# Altium PCB ZhuKong.PcbDoc (part 2 of 6)
Units mm, origin at the board's own origin, x right, y up, seen from the top; angles counter-clockwise.
Board outline 178.45 x 113.25 mm, 2 copper layers (Top Layer, Bottom Layer); 395 components, 351 nets, 1367 pads, 848 vias.
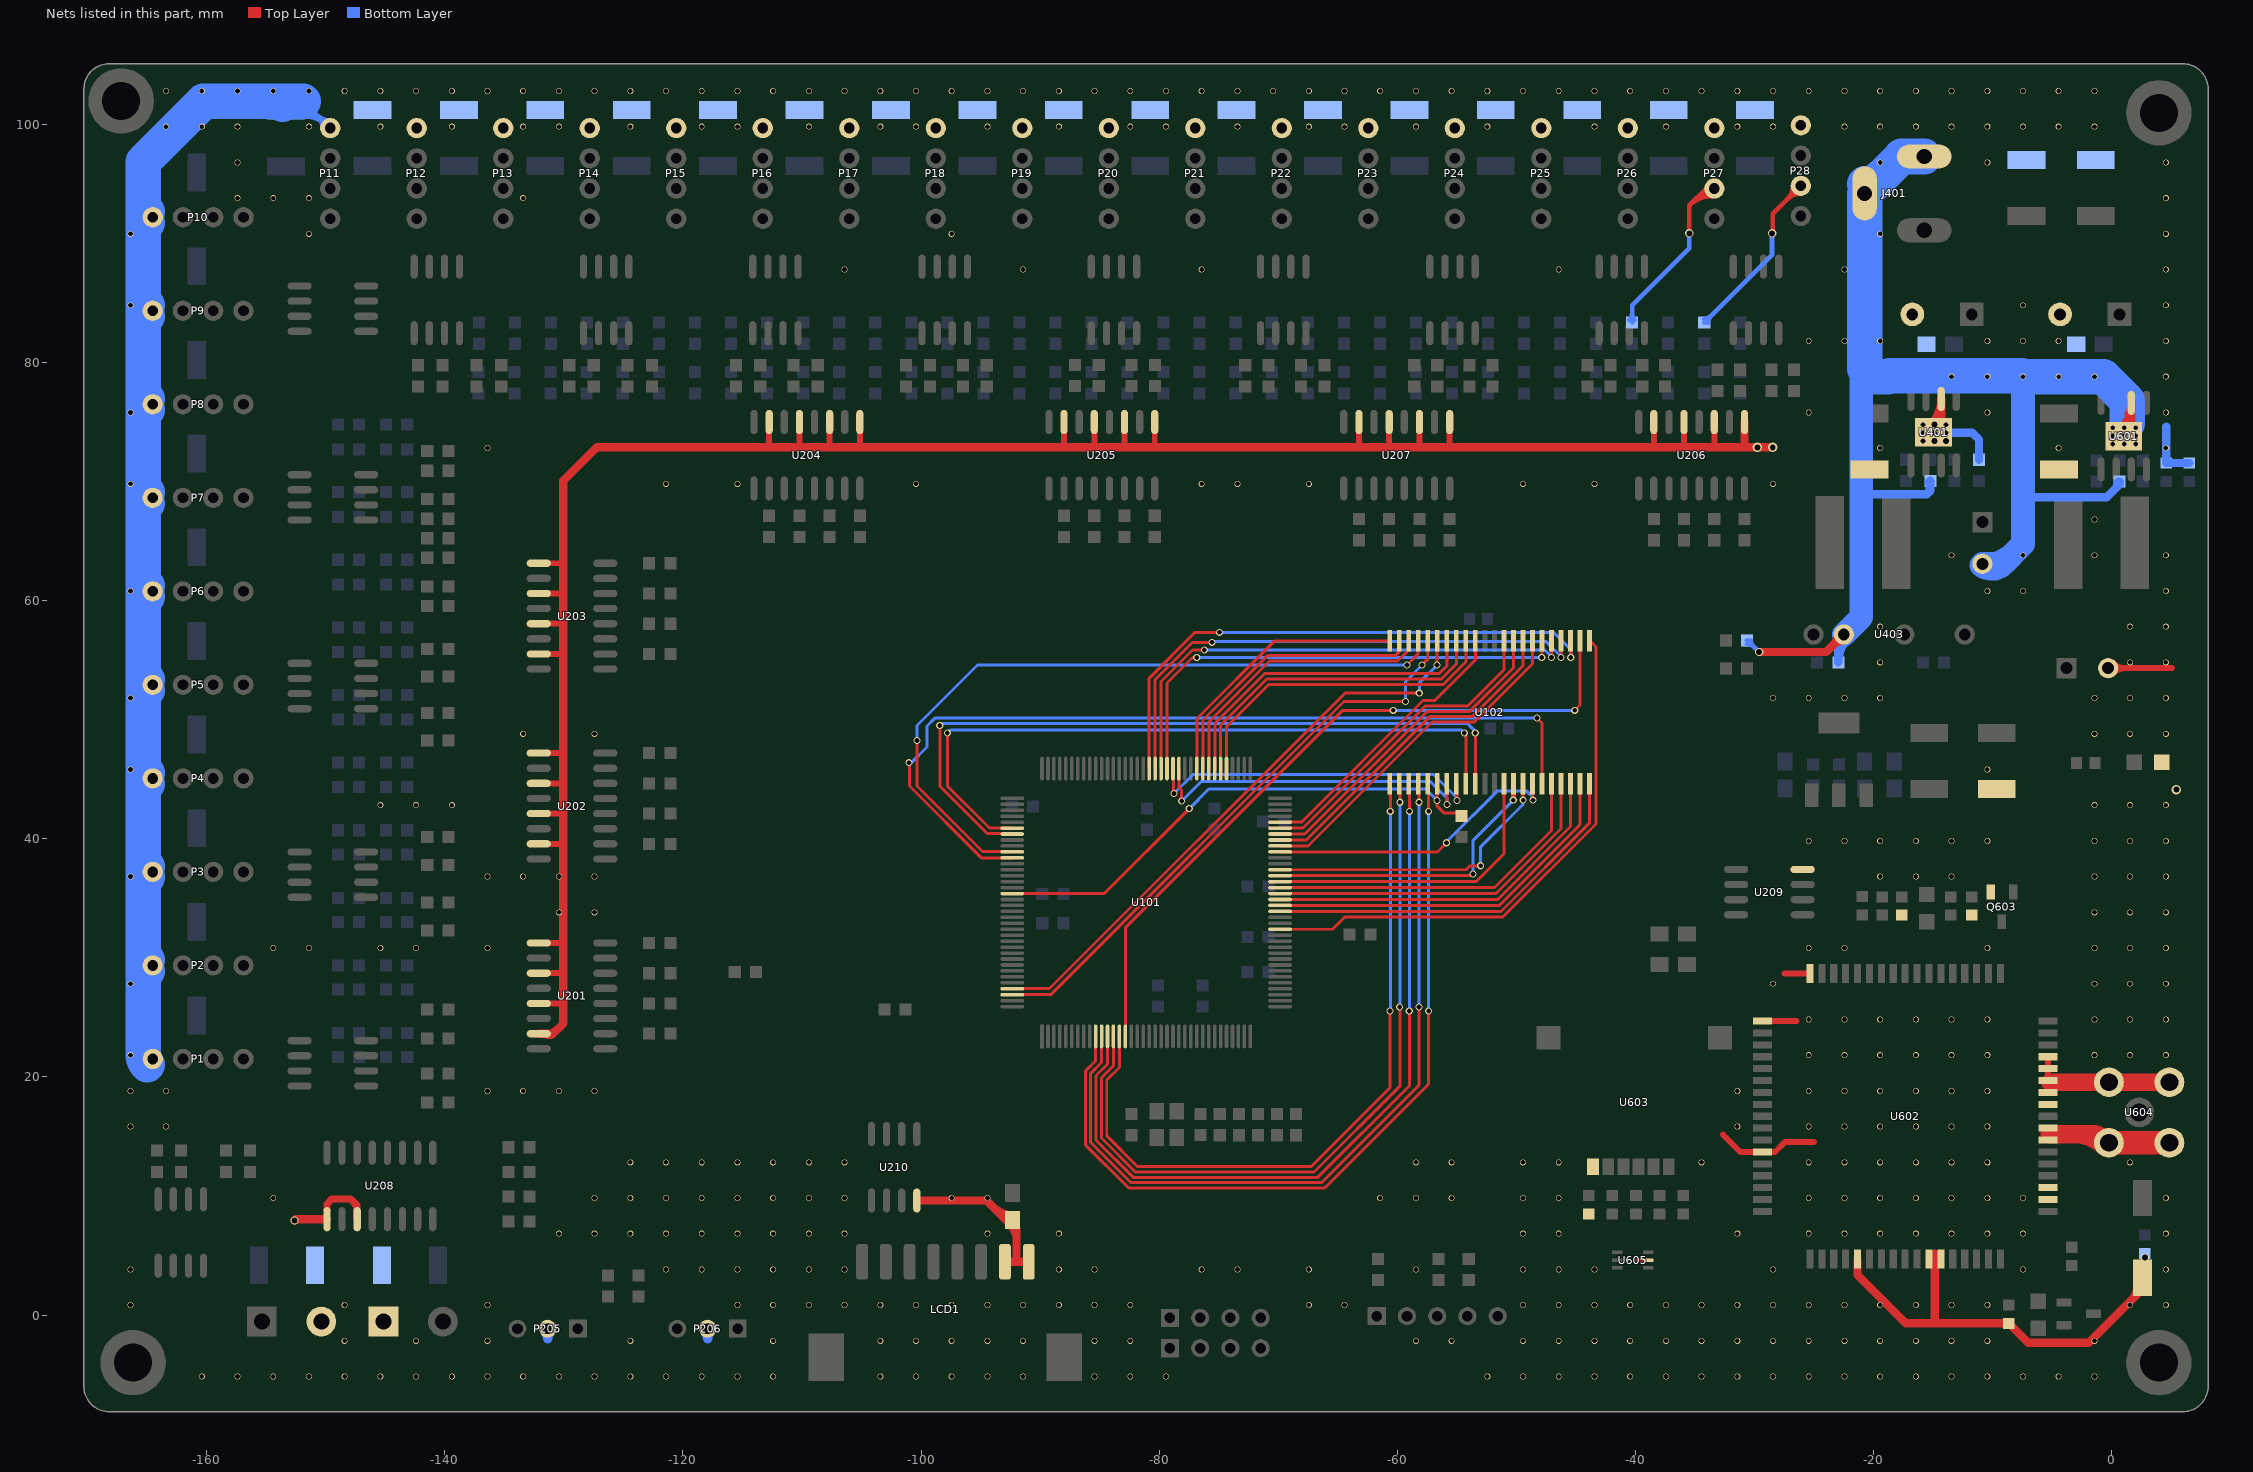
[diagram p2: the nets of this part, all layers, seen from the top]

## Via types
v1: diameter 0.5, hole 0.4, Top Layer to Bottom Layer, tented both sides, 554 vias
v2: diameter 0.7, hole 0.5, Top Layer to Bottom Layer, tented both sides, 134 vias
v3: diameter 0.6, hole 0.4, Top Layer to Bottom Layer, tented both sides, 77 vias
v4: diameter 0.7, hole 0.4, Top Layer to Bottom Layer, tented both sides, 40 vias
v5: diameter 0.8, hole 0.5, Top Layer to Bottom Layer, tented both sides, 32 vias
v6: diameter 0.5, hole 0.4, Top Layer to Bottom Layer, 5 vias
v7: diameter 0.9, hole 0.5, Top Layer to Bottom Layer, tented both sides, 4 vias
v8: diameter 0.5, hole 0.4, Top Layer to Bottom Layer, tented bottom, 1 vias
v9: diameter 0.8, hole 0.4, Top Layer to Bottom Layer, tented both sides, 1 vias

## Nets (pads, with @x,y where several pads share a name; then routed paths per layer and width w, separated by ;. In a path a pad name is that pad's centre, name@x,y a point inside that pad or via, vN(x,y) a via of type N, cw(c..) or ccw(c..) an arc to the next point about the centre after c; other vN are vias at no path point) (continued)
FEED_27: P27.3 R581.2 | length 20.5
  Top Layer w0.4: v2@-35.458,90.805 -35.458,93.218 -34.036,94.64 P27.3@-33.353,94.64 ; -35.458,93.218 cw(c-33.576,91.336) P27.3@-33.397,93.992 ; -34.836,93.841 cw(c-33.497,92.502) P27.3@-33.37,94.391 ; -34.213,94.464 cw(c-33.419,93.669) P27.3@-33.343,94.79
  Bottom Layer w0.4: R581.2@-40.475,83.596 ccw(c-41.001,84.122) -40.257,84.122 ccw(c-39.514,84.122) R581.2@-40.039,83.596 ; R581.2@-40.257,83.378 -40.257,84.838 -35.458,89.637 v2@-35.458,90.805
  other v2: -35.458,90.881
FEED_28: P28.3 R584.2 | length 18.5
  Top Layer w0.4: v2@-28.499,90.729 -28.448,90.729 -28.448,92.507 P28.3@-26.086,94.869 ; P28.3@-26.736,94.869 cw(c-28.305,94.869) -27.195,93.759 cw(c-26.086,92.65) P28.3@-26.086,94.219
  Bottom Layer w0.4: R584.2@-34.201,83.378 -28.499,89.081 v2@-28.499,90.729 ; R584.2@-34.201,83.686 ccw(c-34.201,84.43) -33.676,83.904 ccw(c-33.15,83.378) R584.2@-33.893,83.378
  other v2: -28.499,90.881
FSMC_A0: U101.10 U102.5 | length 68.9
  Top Layer w0.25: U101.10@-85.334,23.411 -85.334,21.353 -86.197,20.49 -86.197,14.313 -82.552,10.668 -66.091,10.668 -57.353,19.406 v3(-57.353,25.552) ; U102.5@-57.483,43.891 cw(c-57.798,43.577) -57.353,43.577 ; v3(-57.353,42.316) U102.5@-57.353,44.567
  Bottom Layer w0.25: v3(-57.353,25.552) v3(-57.353,42.316)
FSMC_A1: U101.11 U102.4 | length 67.3
  Top Layer w0.25: U101.11@-84.834,23.411 -84.834,21.216 -85.747,20.304 -85.747,14.5 -82.365,11.118 -66.352,11.118 -58.16,19.31 v3@-58.16,25.883 ; U102.4@-58.283,43.891 cw(c-58.582,43.592) -58.16,43.592 ; v3(-58.16,43.078) U102.4@-58.16,44.573
  Bottom Layer w0.25: v3@-58.16,25.883 v3(-58.16,43.078)
  other v3: -58.166,25.883
FSMC_A2: U101.12 U102.3 | length 65.6
  Top Layer w0.25: U101.12@-84.334,23.411 -84.334,21.08 -85.297,20.117 -85.297,14.686 -82.179,11.568 -66.664,11.568 -58.979,19.253 v3(-58.979,25.552) ; U102.3@-59.083,43.891 cw(c-59.367,43.608) -58.966,43.608 ; v3(-58.966,42.316) U102.3@-58.966,44.58
  Bottom Layer w0.25: v3@-58.966,25.552 v3(-58.966,42.316)
FSMC_A3: U101.13 U102.2 | length 63.9
  Top Layer w0.25: U101.13@-83.834,23.411 -83.834,20.943 -84.847,19.931 -84.847,14.872 -81.993,12.018 -66.976,12.018 -59.773,19.221 v3@-59.773,25.883 ; U102.2@-59.883,43.891 cw(c-60.151,43.623) -59.773,43.623 ; v3(-59.773,43.078) U102.2@-59.773,44.586
  Bottom Layer w0.25: v3@-59.773,25.883 v3(-59.773,43.078)
  other v3: -59.792,25.883
FSMC_A4: U101.14 U102.1 | length 62.2
  Top Layer w0.25: U101.14@-83.334,23.411 -83.334,20.807 -84.397,19.744 -84.397,15.059 -81.806,12.468 -67.237,12.468 -60.604,19.101 v3(-60.604,25.552) ; U102.1@-60.683,43.891 cw(c-60.936,43.639) -60.579,43.639 ; v3(-60.579,42.316) U102.1@-60.579,44.593
  Bottom Layer w0.25: v3@-60.579,25.552 v3(-60.579,42.316)
FSMC_A5: U101.15 U102.24 | length 60.5
  Top Layer w0.25: U101.15@-82.834,23.411 -82.834,32.532 -64.567,50.8 v3(-60.325,50.8) ; v3@-45.025,50.8 v3(-45.085,50.8) -44.63,51.255 U102.24@-44.63,56.644
  Bottom Layer w0.25: v3(-60.325,50.8) v3(-45.085,50.8)
FSMC_A6: U101.50 U102.23 | length 45.8
  Top Layer w0.25: U101.50@-69.834,32.411 -65.43,32.411 -64.389,33.452 -51.105,33.452 -43.305,41.251 -43.305,56.119 U102.23@-43.83,56.644
FSMC_A7: U101.53 U102.22 | length 32.4
  Top Layer w0.25: U101.53@-69.834,33.911 -51.282,33.911 -43.83,41.363 U102.22@-43.83,44.644
FSMC_A8: U101.54 U102.21 | length 31.5
  Top Layer w0.25: U101.54@-69.834,34.411 -51.419,34.411 -44.63,41.199 U102.21@-44.63,44.644
FSMC_A9: U101.55 U102.20 | length 30.5
  Top Layer w0.25: U101.55@-69.834,34.911 -51.555,34.911 -45.43,41.035 U102.20@-45.43,44.644
FSMC_A10: U101.56 U102.19 | length 29.6
  Top Layer w0.25: U101.56@-69.834,35.411 -51.691,35.411 -46.23,40.872 U102.19@-46.23,44.644
FSMC_A11: U101.57 U102.18 | length 28.7
  Top Layer w0.25: U101.57@-69.834,35.911 -51.828,35.911 -47.03,40.708 U102.18@-47.03,44.644
FSMC_A12: U101.87 U102.28 | length 41
  Top Layer w0.25: U101.87@-79.334,45.911 -79.334,53.097 -77.186,55.245 v3(-76.835,55.245) ; v3@-47.828,55.245 U102.28@-47.828,56.642
  Bottom Layer w0.25: v3(-76.835,55.245) v3(-47.854,55.245)
FSMC_A13: U101.88 U102.27 | length 42.8
  Top Layer w0.25: U101.88@-79.834,45.911 -79.834,53.233 -77.198,55.87 -76.21,55.87 v3(-76.2,55.88) ; v3(-47.041,55.245) U102.27@-47.041,56.634 ; U102.27@-47.024,56.634 U102.27@-47.024,56.638
  Bottom Layer w0.25: v3@-76.19,55.89 -47.612,55.89 v3@-47.048,55.326
FSMC_A14: U101.89 U102.26 | length 44.8
  Top Layer w0.25: U101.89@-80.334,45.911 -80.334,53.37 -77.189,56.515 v3(-75.565,56.515) ; v3(-46.228,55.245) U102.26@-46.228,56.642
  Bottom Layer w0.25: v3(-75.565,56.515) -75.507,56.573 -47.474,56.573 v3@-46.229,55.327
FSMC_A15: U101.90 U102.25 | length 47.3
  Top Layer w0.25: U101.90@-80.834,45.911 -80.834,53.506 -76.987,57.353 v3(-74.93,57.353) ; v3(-45.415,55.245) U102.25@-45.415,56.629
  Bottom Layer w0.25: v3(-74.93,57.353) -46.863,57.353 -45.415,55.905 v3(-45.415,55.245)
FSMC_A16: U101.80 U102.42 | length 24.3
  Top Layer w0.25: U101.80@-75.834,45.911 -75.809,45.936 -75.809,49.849 -70.718,54.94 -59.969,54.94 -59.03,55.879 U102.42@-59.03,56.644 ; -59.204,55.705 ccw(c-59.443,55.944) U102.42@-59.105,55.944
FSMC_A17: U101.81 U102.43 | length 24.4
  Top Layer w0.25: U101.81@-76.334,45.911 -76.309,45.936 -76.309,49.985 -70.904,55.39 -60.156,55.39 -59.83,55.716 U102.43@-59.83,56.644 ; -60.12,55.426 ccw(c-60.638,55.944) U102.43@-59.905,55.944
FSMC_A18: U101.82 U102.44 | length 23.1
  Top Layer w0.25: U101.82@-76.834,45.911 -76.809,45.936 -76.809,50.121 -70.287,56.644 U102.44@-60.63,56.644
FSMC_D0: U101.85 U102.7 | length 28.6
  Top Layer w0.25: U101.85@-78.334,45.911 -78.334,44.293 -78.105,44.064 v3(-78.105,43.18) ; v3(-55.804,42.901) U102.7@-55.804,44.618
  Bottom Layer w0.25: v3(-78.105,43.18) -76.464,44.821 -57.216,44.821 -55.829,43.434 v3@-55.829,42.901
FSMC_D1: U101.86 U102.8 | length 28.9
  Top Layer w0.25: U101.86@-78.809,45.886 -78.809,43.884 v3(-78.74,43.815) ; v3(-54.966,43.231) U102.8@-54.966,44.579
  Bottom Layer w0.25: v3(-78.74,43.815) -77.14,45.415 -56.947,45.415 -54.966,43.434 v3(-54.966,43.231)
FSMC_D2: U101.114 U102.9 | length 59.3
  Top Layer w0.25: v3(-97.79,48.895) -97.79,44.443 -94.258,40.911 U101.114@-92.334,40.911 ; U102.9@-54.23,44.644 v3@-54.23,48.895
  Bottom Layer w0.25: v3(-97.79,48.895) -97.536,49.149 -54.61,49.149 v3(-54.356,48.895)
FSMC_D3: U101.115 U102.10 | length 62.8
  Top Layer w0.25: v3(-98.425,49.53) -98.425,44.442 -94.419,40.436 -92.359,40.436 U101.115@-92.334,40.411 ; U102.10@-53.43,44.644 v3@-53.43,48.923
  Bottom Layer w0.25: v3(-98.425,49.53) -98.273,49.682 -54.071,49.682 -53.312,48.923 -53.416,48.819 v3@-53.442,48.819
  other v3: -53.442,48.895
FSMC_D4: U101.58 U102.13 | length 25.7
  Top Layer w0.25: U101.58@-69.834,36.411 -53.378,36.411 -51.03,38.759 U102.13@-51.03,44.644
FSMC_D5: U101.59 U102.14 | length 25
  Top Layer w0.25: U101.59@-69.834,36.911 v3@-53.802,36.911
  Top Layer w0.4: v3@-50.23,43.267 U102.14@-50.23,44.644
  Bottom Layer w0.25: v3(-53.619,37.059) -53.609,37.069 -53.609,39.888 v3@-50.254,43.243
  other v3: -50.241,43.256
FSMC_D6: U101.60 U102.15 | length 25.3
  Top Layer w0.25: U101.60@-69.834,37.411 -54.207,37.411 -53.873,37.744 v3(-52.984,37.744) ; v3@-49.43,43.271 U102.15@-49.43,44.644
  Bottom Layer w0.25: v3(-52.984,37.744) -52.984,39.345 -49.428,42.901 v3@-49.428,43.231
  other v3: -49.416,43.256
FSMC_D7: U101.63 U102.16 | length 25.1
  Top Layer w0.25: U101.63@-69.834,38.911 -56.619,38.911 v3@-55.893,39.637 ; v3@-48.63,43.296 U102.16@-48.63,44.644
  Bottom Layer w0.25: v3@-55.89,39.71 -51.557,44.044 -49.149,44.044 -48.59,43.485 v3(-48.59,43.256)
  other v3: -55.855,39.675
FSMC_D8: U101.64 U102.29 | length 29.5
  Top Layer w0.25: U101.64@-69.834,39.411 -67.492,39.411 -57.08,49.823 -53.52,49.823 -48.63,54.712 U102.29@-48.63,56.644
FSMC_D9: U101.65 U102.30 | length 28.6
  Top Layer w0.25: U101.65@-69.834,39.911 -67.629,39.911 -57.267,50.273 -53.706,50.273 -49.43,54.549 U102.30@-49.43,56.644
FSMC_D10: U101.66 U102.31 | length 27.7
  Top Layer w0.25: U101.66@-69.834,40.411 -67.765,40.411 -57.453,50.723 -53.893,50.723 -50.23,54.385 U102.31@-50.23,56.644
FSMC_D11: U101.67 U102.32 | length 26.7
  Top Layer w0.25: U101.67@-69.834,40.911 -67.901,40.911 -57.639,51.173 -54.079,51.173 -51.03,54.221 U102.32@-51.03,56.644
FSMC_D12: U101.68 U102.35 | length 23.7
  Top Layer w0.25: U101.68@-69.834,41.411 -68.038,41.411 -57.826,51.623 -56.835,51.623 -53.43,55.028 U102.35@-53.43,56.644
FSMC_D13: U101.77 U102.36 | length 27.6
  Top Layer w0.25: U101.77@-74.334,45.911 -74.334,49.414 -70.764,52.984 -56.11,52.984 -54.23,54.864 U102.36@-54.23,56.644
FSMC_D14: U101.78 U102.37 | length 27.5
  Top Layer w0.25: U101.78@-74.834,45.911 -74.834,49.551 -70.951,53.434 -56.296,53.434 -55.03,54.7 U102.37@-55.03,56.644
FSMC_D15: U101.79 U102.38 | length 27.4
  Top Layer w0.25: U101.79@-75.334,45.911 -75.309,45.936 -75.309,49.712 -71.137,53.884 -56.483,53.884 -55.83,54.537 U102.38@-55.83,56.644
FSMC_NBL0: U101.141 U102.39 | length 49.7
  Top Layer w0.25: U101.141@-92.334,27.411 -92.309,27.436 -89.204,27.436 -64.392,52.248 v3(-58.141,52.248) ; v3(-56.642,54.61) U102.39@-56.642,56.633 ; -56.642,55.735 cw(c-56.421,55.735) U102.39@-56.577,55.891
  Bottom Layer w0.25: v3(-58.141,52.248) -58.141,53.111 v3(-56.642,54.61)
FSMC_NBL1: U101.142 U102.40 | length 49.1
  Top Layer w0.25: U101.142@-92.334,26.911 -89.092,26.911 -64.467,51.537 v3(-59.309,51.537) ; v3(-57.912,54.61) -57.43,55.092 U102.40@-57.43,56.644
  Bottom Layer w0.25: v3(-59.309,51.537) -59.309,53.213 v3(-57.912,54.61)
FSMC_NE3: R4.1 U101.125 U102.6 | length 43.4
  Top Layer w0.25: U101.125@-92.334,35.411 -84.604,35.411 v3(-77.47,42.545) ; -56.642,43.735 cw(c-56.421,43.735) U102.6@-56.577,43.891 ; U102.6@-56.642,44.196 -56.642,42.748 -56.083,42.189 R4.1@-54.839,42.189
  Bottom Layer w0.25: v3(-77.47,42.545) -75.819,44.196 -57.607,44.196 v3(-56.642,43.231)
FSMC_NEW: U101.119 U102.17 | length 74.1
  Top Layer w0.25: v3@-100.965,46.406 -100.965,44.436 -94.94,38.411 U101.119@-92.334,38.411 ; v3(-48.26,50.165) -47.83,49.735 U102.17@-47.83,44.644
  Bottom Layer w0.25: v3(-101.016,46.406) -100.813,46.406 -99.492,47.727 -99.492,49.479 -98.796,50.175 -60.066,50.175 -60.056,50.165 v3(-48.26,50.165)
FSMC_NOE: U101.118 U102.41 | length 61.1
  Top Layer w0.25: v3(-100.33,48.26) -100.33,44.437 -94.828,38.936 -92.359,38.936 U101.118@-92.334,38.911 ; v3(-59.182,54.61) -58.23,55.562 U102.41@-58.23,56.644
  Bottom Layer w0.25: v3(-100.33,48.26) -100.33,49.53 -95.25,54.61 v3(-59.182,54.61)
GND: C201.2 C401.2 C402.2 C404.2 C405.1 C412.2 C601.2 C602.2 C604.2 C605.2 C606.1 C609.2 C610.2 C611.2 D5.1 D6.1 D9.1 D10.1 D11.1 D12.1 D13.1 D14.1 D15.1 D16.1 D17.1 D18.1 D19.1 D20.1 D21.1 D22.1 D23.1 D24.1 D25.1 D26.1 D27.1 D28.1 D29.1 D30.1 D31.1 D32.1 D33.1 D34.1 D35.1 D36.1 D402.1 D601.1 D602.1 J401.2 J401.3 LCD1.1 LCD1.2 P1.1 P2.1 P3.1 P4.1 P5.1 P6.1 P7.1 P8.1 P9.1 P10.1 P11.1 P12.1 P13.1 P14.1 P15.1 P16.1 P17.1 P18.1 P19.1 P20.1 P21.1 P22.1 P23.1 P24.1 P25.1 P26.1 P27.1 P28.1 P203.1 P204.2 P205.2 P206.2 Q603.2 R16.1 R402.2 R603.2 R609.2 R611.2 R614.1 T1.1 T201.2 T202.2 U201.9 U201.11 U201.13 U201.15 U202.9 U202.11 U202.13 U202.15 U203.9 U203.11 U203.13 U203.15 U204.9 U204.11 U204.13 U204.15 U205.9 U205.11 U205.13 U205.15 U206.9 U206.11 U206.13 U206.15 U207.9 U207.11 U207.13 U207.15 U208.9 U208.11 U209.4 U210.4 U401.6 U401.9 U403.2 U601.6 U601.9 U602.17 U602.18 U602.29 U602.39 U602.45 U602.46 U602.53 U602.54 U602.58 U602.59 U602.61 U602.62 U602.63 U602.64 U602.65 U603.4 U604.1 U604.2 U604.4 U604.5 U605.2 | length 603.3
  Top Layer w0.3: -39.827,4.612 U605.2@-38.913,4.612
  Top Layer w0.5: U201.13@-132.113,26.177 -130.063,26.177 ; U201.11@-132.113,28.717 -130.16,28.717 ; U201.9@-132.113,31.257 -130.16,31.257 ; U202.15@-132.113,39.588 -130.139,39.588 ; U202.13@-132.113,42.128 -130.211,42.128 ; U202.11@-132.113,44.668 -130.084,44.668 -130.048,44.704 ; U202.9@-132.113,47.208 -130.084,47.208 ; U203.15@-132.113,55.54 -130.134,55.54 ; U203.13@-132.113,58.08 -130.089,58.08 ; U203.11@-132.113,60.62 -130.089,60.62 ; U203.9@-132.113,63.16 -130.216,63.16 ; -112.758,72.916 U204.15@-112.758,75.021 ; -110.218,73.007 U204.13@-110.218,75.021 ; -107.678,72.916 U204.11@-107.678,75.021 ; -105.138,73.17 U204.9@-105.138,75.021 ; -87.985,72.924 U205.15@-87.985,75.021 ; -85.445,72.924 U205.13@-85.445,75.021 ; -82.905,73.051 U205.11@-82.905,75.021 ; -80.365,72.999 U205.9@-80.365,75.021 ; -63.211,73.06 U207.15@-63.211,75.021 ; -60.671,72.898 U207.13@-60.671,75.021 ; -58.131,72.99 U207.11@-58.131,75.021 ; -55.591,72.933 U207.9@-55.591,75.021 ; -38.438,72.982 U206.15@-38.438,75.021 ; -35.898,73.025 U206.13@-35.898,75.021 ; -33.358,72.941 U206.11@-33.358,75.021 ; -32.639,15.164 -31.177,13.702 U602.29@-29.322,13.702 -28.259,13.702 -27.432,14.529 -24.994,14.529 ; U602.18@-29.309,24.689 -26.441,24.689 ; -27.457,28.702 U602.17@-25.322,28.702 ; U209.4@-26.746,37.44 U209.4@-25.933,37.44 ; U602.62@-5.322,18.702 U602.63@-5.322,19.558 ; U602.63@-5.322,19.702 U602.64@-5.322,20.702 U602.65@-5.322,21.702 ; C605.2@-0.269,54.345 5.095,54.345 ; C605.2@0.155,53.921 cw(c1.18,52.897) 1.18,54.345 cw(c1.18,55.794) C605.2@0.155,54.77
  Top Layer w0.6: U208.9@-149.911,8.788 -149.911,9.334 -149.504,9.74 -147.916,9.74 -147.371,9.195 U208.11@-147.371,8.052 ; -147.684,9.508 cw(c-148.43,8.763) U208.11@-147.376,8.763
  Top Layer w0.7: v2(-152.629,7.95) -152.527,8.052 U208.9@-149.911,8.052 ; U201.15@-132.113,23.637 -130.922,23.637 ; U201.15@-131.429,23.601 ccw(c-131.196,23.912) -130.922,23.637 ; U201.15@-131.402,23.592 ccw(c-131.402,24.642) -130.66,23.899 ; U210.4@-100.076,9.627 -94.488,9.627 -91.973,7.112 ; -93.9,9.038 ccw(c-92.329,10.609) C201.2@-92.329,8.388 ; LCD1.2@-92.953,4.47 -91.973,4.47 ; C201.2@-92.531,7.647 cw(c-93.876,6.302) -91.973,6.302 ; C201.2@-92.397,7.572 cw(c-92.531,7.031) -91.973,7.031 ; C201.2@-92.074,7.722 ccw(c-91.599,7.487) -91.973,7.112 ; LCD1.1@-90.953,4.47 -91.973,4.47 ; U206.9@-30.818,75.021 -30.818,72.898 ; v2(-29.591,55.702) -23.952,55.702 U403.2@-22.479,57.175 ; v5(-28.448,72.898) -30.818,72.898 ; U403.2@-22.979,57.175 cw(c-24.186,57.175) -23.333,56.322 cw(c-22.479,55.468) U403.2@-22.479,56.675 ; U602.39@-21.322,4.702 -21.322,3.364 -17.264,-0.694 R611.2@-8.611,-0.694 -8.611,-0.706 -6.999,-2.318 -1.886,-2.318 2.616,2.184 C609.2@2.616,3.123 ; U401.9@-15.186,74.769 ccw(c-17.325,76.908) U401.6@-14.3,76.908 ; -14.834,-0.389 -14.834,5.156 ; U401.9@-14.3,74.803 U401.6@-14.3,76.962 ; -14.3,75.532 ccw(c-13.221,75.532) U401.9@-13.984,74.769 ; U601.9@0.79,74.439 ccw(c-1.349,76.578) U601.6@1.676,76.578 ; 1.434,75.673 cw(c1.89,75.551) U601.6@1.654,75.96 ; U601.9@1.676,74.473 U601.6@1.676,76.632 ; 1.676,75.202 ccw(c2.755,75.202) U601.9@1.992,74.439 ; 1.696,1.264 ccw(c0.562,2.399) C609.2@2.166,2.399 ; -130.922,23.637 -130.048,24.511 -130.048,44.704 -130.048,70.104 -127.254,72.898 -60.671,72.898 -30.818,72.898 ; -91.973,4.47 -91.973,7.112
  Top Layer w1: U604.4@-0.813,14.478 U604.4@-0.203,14.478
  Top Layer w1.5: U602.63@-5.178,19.558 U604.1@-0.203,19.558 U604.2@4.877,19.558 ; U604.4@-0.813,14.478 -1.524,15.189 ccw(c-0.764,15.949) U604.4@-0.381,14.945
  Top Layer w1.56: -5.182,15.189 -1.524,15.189 ; -3.055,15.189 cw(c-3.055,11.626) U604.4@-0.536,14.146 ; -1.524,15.189 cw(c-1.524,14.33) U604.4@-0.67,14.426
  Top Layer w2: U604.4@-0.203,14.478 U604.5@4.877,14.478
  Bottom Layer w0.3: D15.1@-152.626,101.775 cw(c-152.352,100.249) -151.256,101.345 ; D15.1@-152.573,101.48 cw(c-152.229,99.56) -150.85,100.939 ; D15.1@-152.52,101.184 cw(c-152.105,98.871) -150.444,100.533 ; D15.1@-152.467,100.889 cw(c-151.982,98.182) P11.1@-150.038,100.127 ; D15.1@-152.414,100.594 cw(c-151.859,97.493) P11.1@-149.631,99.72 -151.892,101.981 ; P11.1@-150.331,99.72 ccw(c-152.021,99.72) -150.826,100.915 ccw(c-149.631,102.11) P11.1@-149.631,100.42 ; P11.1@-150.031,99.72 ccw(c-150.997,99.72) -150.314,100.403 ccw(c-149.631,101.086) P11.1@-149.631,100.12
  Bottom Layer w0.4: R16.1@-30.607,56.359 cw(c-30.607,55.493) -29.994,56.106 ; R16.1@-30.607,56.667 -30.556,56.667 v2(-29.591,55.702) ; R16.1@-30.299,56.667 ccw(c-29.678,56.667) R16.1@-30.117,56.228
  Bottom Layer w0.7: C412.2@-22.936,54.839 U403.2@-22.936,56.718 ; C412.2@-22.936,54.865 cw(c-20.168,54.865) U403.2@-22.125,56.822 ; -21.006,68.961 -15.494,68.961 ; R402.2@-15.345,70.003 cw(c-16.114,69.581) -15.494,68.961 ; R402.2@-15.206,70.079 -15.206,69.249 -15.494,68.961 ; v4(-14.859,74.117) v4(-13.894,74.117) -11.684,74.117 -11.125,73.558 C405.1@-11.125,71.857 ; -7.417,68.707 -0.381,68.707 0.695,69.783 R603.2@0.695,70.028 ; 0.252,69.34 ccw(c-0.435,70.028) R603.2@0.537,70.028 ; 4.614,74.641 C606.1@4.614,71.582 C604.2@6.553,71.582
  Bottom Layer w0.8: P205.2@-131.616,-1.39 cw(c-132.214,-1.988) -131.369,-1.988 cw(c-130.524,-1.988) P205.2@-131.121,-1.39 ; P206.2@-118.18,-1.39 cw(c-118.777,-1.988) -117.932,-1.988 cw(c-117.087,-1.988) P206.2@-117.685,-1.39
  Bottom Layer w2: U403.2@-22.479,57.175 -21.006,58.649 -21.006,68.961 -21.006,80.536 -20.723,80.819 ; C404.2@-10.923,62.99 ccw(c-10.068,64.098) -9.078,63.109 ; C404.2@-10.831,62.959 ccw(c-10.831,66.828) -8.095,64.092 ; C404.2@-10.831,63.109 -9.078,63.109 ; v1@-7.417,78.816 -7.417,68.707 -7.417,64.77 -9.078,63.109
  Bottom Layer w3: P1.1@-165.354,21.717 -165.354,96.901 -160.274,101.981 -151.892,101.981 ; -165.354,21.907 ccw(c-164.148,21.907) P1.1@-165.001,21.054 ; -165.354,28.996 cw(c-164.174,28.996) P2.1@-165.008,29.83 ; -165.354,29.746 ccw(c-164.174,29.746) P2.1@-165.008,28.911 ; -165.354,36.853 cw(c-164.174,36.853) P3.1@-165.008,37.688 ; -165.354,37.603 ccw(c-164.174,37.603) P3.1@-165.008,36.768 ; -165.354,44.71 cw(c-164.174,44.71) P4.1@-165.008,45.545 ; -165.354,45.46 ccw(c-164.174,45.46) P4.1@-165.008,44.625 ; -165.354,52.567 cw(c-164.174,52.567) P5.1@-165.008,53.402 ; -165.354,53.317 ccw(c-164.174,53.317) P5.1@-165.008,52.482 ; -165.354,60.424 cw(c-164.174,60.424) P6.1@-165.008,61.259 ; -165.354,61.174 ccw(c-164.174,61.174) P6.1@-165.008,60.34 ; -165.354,68.282 cw(c-164.174,68.282) P7.1@-165.008,69.116 ; -165.354,69.031 ccw(c-164.174,69.031) P7.1@-165.008,68.197 ; -165.354,76.139 cw(c-164.174,76.139) P8.1@-165.008,76.973 ; -165.354,76.888 ccw(c-164.174,76.888) P8.1@-165.008,76.054 ; -165.354,83.996 cw(c-164.174,83.996) P9.1@-165.008,84.83 ; -165.354,84.745 ccw(c-164.174,84.745) P9.1@-165.008,83.911 ; -165.354,91.834 cw(c-164.148,91.834) P10.1@-165.001,92.687 ; -165.354,92.62 ccw(c-164.148,92.62) P10.1@-165.001,91.768 ; -154.286,101.981 cw(c-154.286,101.083) D15.1@-153.651,101.718 ; J401.3@-20.723,95.019 ccw(c-20.723,96.916) -19.381,95.575 ; J401.2@-15.723,97.333 -17.623,97.333 J401.3@-20.723,94.233 -20.723,79.498 -20.041,78.816 -18.736,78.816 -18.639,78.914 -7.514,78.914 -7.417,78.816 -0.657,78.816 1.346,76.813 1.346,74.93
  other v1: -160.422,-5.166 -157.422,-5.166 -154.422,-5.166 -151.422,-5.166 -148.422,-5.166 -145.422,-5.166 -142.422,-5.166 -139.422,-5.166 -136.422,-5.166 -133.422,-5.166 -130.422,-5.166 -127.422,-5.166 -124.422,-5.166 -121.422,-5.166 -118.422,-5.166 -115.422,-5.166 -112.422,-5.166 -103.422,-5.166 -100.422,-5.166 -97.422,-5.166 -94.422,-5.166 -91.422,-5.166 -85.422,-5.166 -82.422,-5.166 -79.422,-5.166 -52.422,-5.166 -49.422,-5.166 -46.422,-5.166 -43.422,-5.166 -40.422,-5.166 -37.422,-5.166 -34.422,-5.166 -31.422,-5.166 -28.422,-5.166 -25.422,-5.166 -22.422,-5.166 -19.422,-5.166 -16.422,-5.166 -13.422,-5.166 -10.422,-5.166 -7.422,-5.166 -4.422,-5.166 -1.422,-5.166 -148.422,-2.166 -142.422,-2.166 -136.422,-2.166 -124.422,-2.166 -112.422,-2.166 -103.422,-2.166 -100.422,-2.166 -97.422,-2.166 -94.422,-2.166 -91.422,-2.166 -85.422,-2.166 -82.422,-2.166 -58.422,-2.166 -55.422,-2.166 -49.422,-2.166 -46.422,-2.166 -43.422,-2.166 -40.422,-2.166 -37.422,-2.166 -34.422,-2.166 -31.422,-2.166 -28.422,-2.166 -25.422,-2.166 -22.422,-2.166 -19.422,-2.166 -16.422,-2.166 -13.422,-2.166 -10.422,-2.166 -1.422,-2.166 -166.422,0.834 -148.422,0.834 -136.422,0.834 -115.422,0.834 -112.422,0.834 -109.422,0.834 -106.422,0.834 -103.422,0.834 -100.422,0.834 -97.422,0.834 -94.422,0.834 -91.422,0.834 -88.422,0.834 -85.422,0.834 -82.422,0.834 -67.422,0.834 -64.422,0.834 -49.422,0.834 -46.422,0.834 -43.422,0.834 -40.422,0.834 -37.422,0.834 -34.422,0.834 -31.422,0.834 -28.422,0.834 -25.422,0.834 -22.422,0.834 -19.422,0.834 -16.422,0.834 -13.422,0.834 -10.422,0.834 1.578,0.834 4.578,0.834 -166.422,3.834 -121.422,3.834 -118.422,3.834 -115.422,3.834 -112.422,3.834 -109.422,3.834 -106.422,3.834 -88.422,3.834 -85.422,3.834 -76.422,3.834 -73.422,3.834 -67.422,3.834 -58.422,3.834 -49.422,3.834 -46.422,3.834 -43.422,3.834 -28.422,3.834 -7.422,3.834 4.578,3.834 -130.422,6.834 -127.422,6.834 -124.422,6.834 -121.422,6.834 -118.422,6.834 -115.422,6.834 -112.422,6.834 -109.422,6.834 -106.422,6.834 -94.422,6.834 -88.422,6.834 -49.422,6.834 -46.422,6.834 -31.422,6.834 -25.422,6.834 -22.422,6.834 -19.422,6.834 -16.422,6.834 -13.422,6.834 -10.422,6.834 -7.422,6.834 4.578,6.834 -154.422,9.834 -127.422,9.834 -124.422,9.834 -121.422,9.834 -118.422,9.834 -115.422,9.834 -109.422,9.834 -106.422,9.834 -97.422,9.834 -94.422,9.834 -61.422,9.834 -58.422,9.834 -55.422,9.834 -49.422,9.834 -46.422,9.834 -25.422,9.834 -22.422,9.834 -19.422,9.834 -16.422,9.834 -13.422,9.834 -10.422,9.834 -7.422,9.834 4.578,9.834 -124.422,12.834 -121.422,12.834 -118.422,12.834 -115.422,12.834 -112.422,12.834 -109.422,12.834 -106.422,12.834 -58.422,12.834 -55.422,12.834 -49.422,12.834 -46.422,12.834 -34.422,12.834 -25.422,12.834 -22.422,12.834 -19.422,12.834 -16.422,12.834 -13.422,12.834 -10.422,12.834 1.578,12.834 -166.422,15.834 -163.422,15.834 -31.422,15.834 -25.422,15.834 -22.422,15.834 -19.422,15.834 -16.422,15.834 -13.422,15.834 -10.422,15.834 -166.422,18.834 -163.422,18.834 -136.422,18.834 -133.422,18.834 -130.422,18.834 -127.422,18.834 -31.422,18.834 -25.422,18.834 -22.422,18.834 -19.422,18.834 -16.422,18.834 -13.422,18.834 -10.422,18.834 -166.422,21.834 -25.422,21.834 -22.422,21.834 -19.422,21.834 -16.422,21.834 -13.422,21.834 -10.422,21.834 -1.422,21.834 1.578,21.834 4.578,21.834 -25.422,24.834 -22.422,24.834 -19.422,24.834 -16.422,24.834 -13.422,24.834 -10.422,24.834 -1.422,24.834 1.578,24.834 4.578,24.834 -166.422,27.834 -28.422,27.834 -1.422,27.834 1.578,27.834 4.578,27.834 -154.422,30.834 -151.422,30.834 -145.422,30.834 -142.422,30.834 -136.422,30.834 -25.422,30.834 -22.422,30.834 -10.422,30.834 -1.422,30.834 1.578,30.834 4.578,30.834 -130.422,33.834 -127.422,33.834 -1.422,33.834 1.578,33.834 4.578,33.834 -166.422,36.834 -136.422,36.834 -133.422,36.834 -130.422,36.834 -127.422,36.834 -19.422,36.834 -16.422,36.834 -13.422,36.834 -1.422,36.834 1.578,36.834 4.578,36.834 -25.422,39.833 -22.422,39.833 -19.422,39.833 -16.422,39.833 -13.422,39.833 -10.422,39.833 -1.422,39.833 1.578,39.833 4.578,39.833 -145.422,42.833 -142.422,42.833 -139.422,42.833 -1.422,42.833 1.578,42.833 4.578,42.833 -166.422,45.833 -10.422,45.833 -133.422,48.833 -127.422,48.833 -1.422,48.833 1.578,48.833 4.578,48.833 -166.422,51.833 -28.422,51.833 -25.422,51.833 -22.422,51.833 -19.422,51.833 -1.422,51.833 1.578,51.833 4.578,51.833 -19.422,54.833 1.578,54.833 4.578,54.833 -19.422,57.833 1.578,57.833 4.578,57.833 -166.422,60.833 -10.422,60.833 -7.422,60.833 4.578,60.833 -13.422,63.833 -7.422,63.833 -1.422,63.833 4.578,63.833 -1.422,66.833 -166.422,69.833 -121.422,69.833 -115.422,69.833 -100.422,69.833 -76.422,69.833 -73.422,69.833 -67.422,69.833 -49.422,69.833 -43.422,69.833 -28.422,69.833 -136.422,72.833 -19.422,72.833 -4.422,72.833 4.578,72.833 -166.422,75.833 -25.422,75.833 -10.422,75.833 4.578,75.833 -13.422,78.833 -10.422,78.833 -7.422,78.833 -4.422,78.833 -1.422,78.833 4.578,78.833 -25.422,81.833 -22.422,81.833 -19.422,81.833 -10.422,81.833 -7.422,81.833 -4.422,81.833 4.578,81.833 -166.422,84.833 -7.422,84.833 4.578,84.833 -106.422,87.833 -91.422,87.833 -76.422,87.833 -46.422,87.833 -22.422,87.833 4.578,87.833 -166.422,90.833 -151.422,90.833 -97.422,90.833 -19.422,90.833 4.578,90.833 -157.422,93.833 -154.422,93.833 -151.422,93.833 -133.422,93.833 4.578,93.833 -157.422,96.833 -19.422,96.833 -10.422,96.833 4.578,96.833 -163.422,99.833 -160.422,99.833 -157.422,99.833 -151.422,99.833 -145.422,99.833 -139.422,99.833 -133.422,99.833 -130.422,99.833 -124.422,99.833 -118.422,99.833 -115.422,99.833 -109.422,99.833 -103.422,99.833 -100.422,99.833 -94.422,99.833 -88.422,99.833 -82.422,99.833 -79.422,99.833 -73.422,99.833 -67.422,99.833 -64.422,99.833 -58.422,99.833 -52.422,99.833 -43.422,99.833 -37.422,99.833 -31.422,99.833 -28.422,99.833 -22.422,99.833 -19.422,99.833 -16.422,99.833 -13.422,99.833 -10.422,99.833 -7.422,99.833 -4.422,99.833 -1.422,99.833 -163.422,102.833 -160.422,102.833 -157.422,102.833 -154.422,102.833 -151.422,102.833 -148.422,102.833 -145.422,102.833 -142.422,102.833 -139.422,102.833 -136.422,102.833 -133.422,102.833 -130.422,102.833 -127.422,102.833 -124.422,102.833 -121.422,102.833 -118.422,102.833 -115.422,102.833 -112.422,102.833 -109.422,102.833 -106.422,102.833 -103.422,102.833 -100.422,102.833 -97.422,102.833 -94.422,102.833 -91.422,102.833 -88.422,102.833 -85.422,102.833 -82.422,102.833 -79.422,102.833 -76.422,102.833 -73.422,102.833 -70.422,102.833 -67.422,102.833 -64.422,102.833 -61.422,102.833 -58.422,102.833 -55.422,102.833 -52.422,102.833 -49.422,102.833 -46.422,102.833 -43.422,102.833 -40.422,102.833 -37.422,102.833 -34.422,102.833 -31.422,102.833 -28.422,102.833 -25.422,102.833 -22.422,102.833 -19.422,102.833 -16.422,102.833 -13.422,102.833 -10.422,102.833 -7.422,102.833 -4.422,102.833 -1.422,102.833
  other v2: 2.819,4.826 -14.859,73.431 -13.894,73.431 -14.859,74.803
  other v4: 0.127,73.177 1.092,73.177 2.057,73.177 -15.824,73.431 0.127,73.863 1.092,73.863 2.057,73.863 -15.824,74.117 0.127,74.549 1.092,74.549 2.057,74.549 -15.824,74.803 -13.894,74.803
  other v5: 5.461,44.145 -29.743,72.898
  other v8: -112.422,9.834